# KiCad board hdmi-edid-debug-board.kicad_pcb (continued)
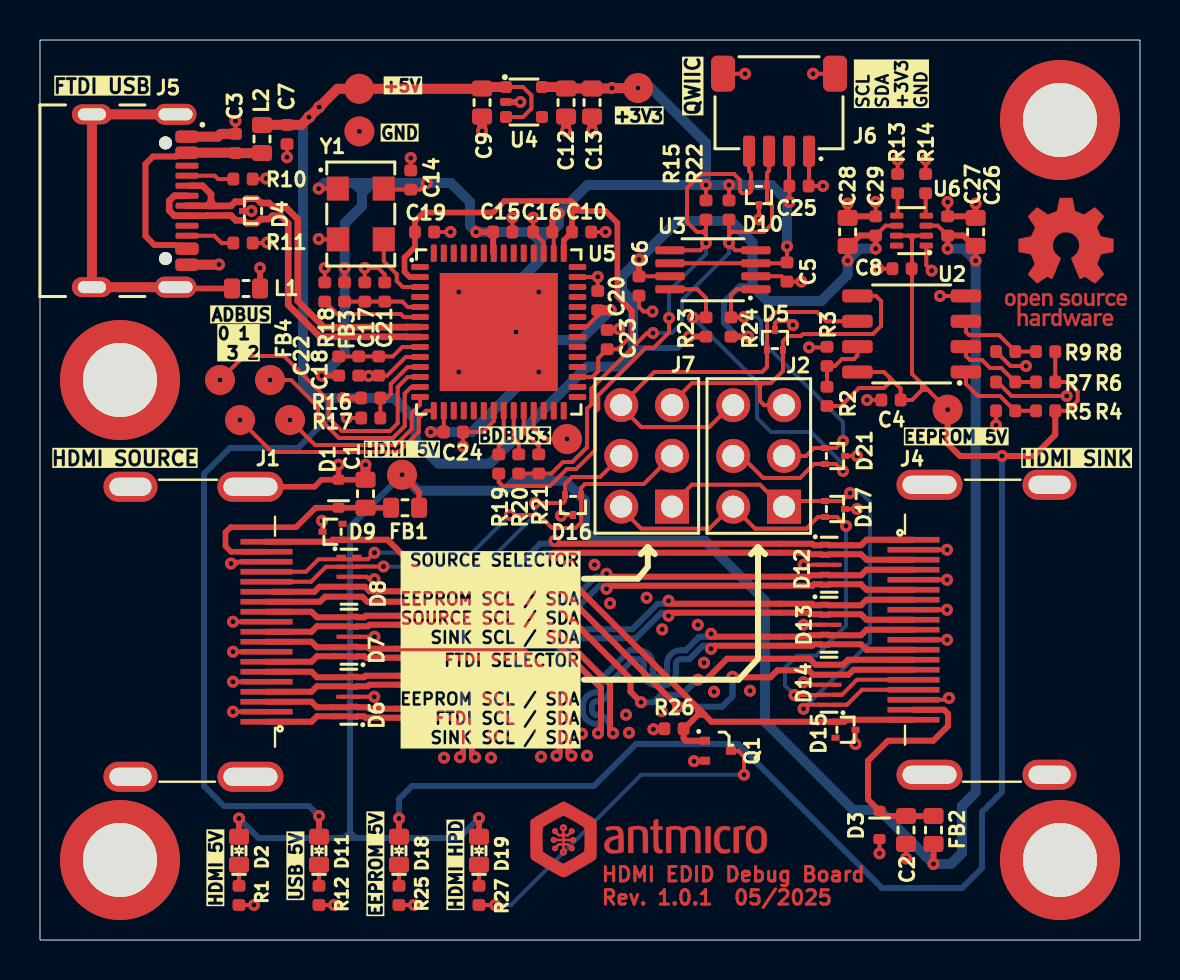
[diagram p0: board, top side]
## Routing (per net, layer and track width the routed paths; a pad name or vN(x,y) marks a point on that pad's centre or on a via; arc(x,y) is an arc through that point) (continued)
/HDMI_D1_P: length 43
  Top w0.3: v1(23.45,10.29) 23.6,10.44 23.6,10.84 21.68,12.76 17.91,12.76 16.46,12.76 16.39,12.69 15.85,12.69 15.82,12.66 ; 11.32,12.41 13.57,12.41 13.85,12.69 15.44,12.69 15.47,12.66 D6.4 ; J4.4 41.33,18.51 41.05,18.24 39.46,18.24 39.43,18.26 D12.4 ; v1(28.32,18.31) 28.47,18.16 36.99,18.16 38.44,18.16 38.51,18.24 39.05,18.24 39.08,18.26
  Bottom w0.3: v1(23.45,10.29) 23.6,10.44 23.6,11.01 arc(23.54,11.16) 23.39,11.23 arc(22.92,11.42) 22.72,11.89 22.72,12.24 arc(22.92,12.71) 23.39,12.91 24.26,12.91 arc(24.41,12.97) 24.47,13.12 24.47,13.47 arc(24.41,13.62) 24.26,13.69 arc(23.79,13.88) 23.6,14.35 23.6,15.53 25.06,16.99 26.61,16.99 27.78,18.16 28.18,18.16 v1(28.32,18.31)
/HDMI_D2_N: length 43
  Top w0.3: 15.82,11.66 15.85,11.64 16.39,11.64 16.46,11.56 17.84,11.56 20.79,11.56 21.6,10.75 21.6,9.29 v1(21.75,9.14) ; J1.3 13.57,11.91 13.85,11.64 14.55,11.64 14.55,11.64 15.44,11.64 15.47,11.66 D6.2 ; v1(25.72,19.21) 25.87,19.36 37.06,19.36 37.06,19.36 38.44,19.36 38.51,19.29 39.05,19.29 39.08,19.26 ; J4.3 41.32,19.01 41.05,19.29 40.35,19.29 40.35,19.29 39.46,19.29 39.43,19.26 D12.2
  Bottom w0.3: v1(25.72,19.21) 25.58,19.36 25.19,19.36 21.6,15.77 21.6,9.29 v1(21.75,9.14)
/HDMI_D2_P: length 43
  Top w0.3: v1(21,9.14) 21.15,9.29 21.15,10.57 20.6,11.11 17.84,11.11 16.28,11.11 16.2,11.19 15.85,11.19 D6.1 15.47,11.16 15.44,11.19 14.72,11.19 14.72,11.19 13.85,11.19 13.57,10.91 11.32,10.91 ; J4.1 41.33,20.01 41.05,19.74 40.18,19.74 40.18,19.74 39.46,19.74 39.43,19.76 D12.1 39.05,19.74 38.7,19.74 38.62,19.81 37.06,19.81 25.87,19.81 v1(25.72,19.96)
  Bottom w0.3: v1(21,9.14) 21.15,9.29 21.15,15.96 25.01,19.81 25.58,19.81 v1(25.72,19.96)
/HDMI_HPD: length 39.7
  Top w0.3: 33.06,11.43 33.21,11.28 ; 33.06,11.43 32.86,11.63 ; 33.06,11.43 32.9,11.26 ; 33.21,11.28 33.2,11.26 32.9,11.26 ; 33.21,11.28 33.57,10.91 D15.1 40.23,10.91 40.32,11.01 J4.19 ; 32.9,11.26 32.9,11.59 32.86,11.63 ; 32.9,11.26 32.2,10.56 R26.2 32.18,10.08 32.3,9.96 Q1.1 ; 32.86,11.63 26.35,18.14 19.25,18.14 17.38,20.01 D9.1 14.63,20.01 14.53,19.91 J1.19
/HDMI_UTIL: length 36.2
  Top w0.3: v1(34.62,13.16) 34.65,13.14 36.52,13.14 36.87,13.49 38.42,13.49 38.65,13.26 D14.7 40.43,13.26 40.68,13.51 J4.14 ; v1(31.9,11.66) 26.12,17.44 16.48,17.44 16.25,17.66 D8.7 13.97,17.66 13.72,17.41 11.62,17.41
  Bottom w0.3: v1(34.62,13.16) 34.62,12.19 34.1,11.66 v1(31.9,11.66)
/OSCI: length 3.6
  Top w0.2: U5.3 18.14,32.65 17.84,32.95 17.84,33.29 17.19,33.94 Y1.3
/SCL: length 31.7
  Top w0.2: 33.15,35.4 33.3,35.4 ; 33.15,35.4 33.3,35.55 33.3,35.6 ; 33.15,35.4 32.85,35.4 32.35,35.9 32.35,37.6 33.05,38.3 34.7,38.3 35,38 35,37.45 35.1,37.35 35.45,37.35 35.55,37.45 D10.2 35.55,38.35 35.45,38.45 J6.4 ; 33.15,35.4 33.3,35.25 ; 33.3,35.4 33.3,35.6 ; 33.3,35.4 33.3,35.25 ; 33.3,35.6 R15.1 ; v1(31.45,31.1) 31.45,30.37 30.68,29.6 30.27,29.6 27.91,27.24 27.91,26.56 27.75,26.4 27.75,24.49 26.81,23.55 26.34,23.55 25.5,22.7 23.14,22.7 22.94,22.9 R19.2 ; U3.5 33.01,34.49 33.3,34.77 33.3,35.25
  Bottom w0.2: v1(33.3,34.85) 33.3,34.3 31.45,32.45 v1(31.45,31.1)
/SDA: length 27.1
  Top w0.2: 34.45,35.6 R22.1 ; 34.45,35.6 34.45,35.55 34.6,35.4 ; 34.45,35.6 34.45,35.4 ; 34.6,35.4 36.2,35.4 36.6,35.8 36.6,36.7 36.35,36.95 D10.1 36.35,38.35 36.45,38.45 J6.3 ; 34.6,35.4 34.45,35.4 ; 34.6,35.4 34.45,35.25 ; 34.45,35.25 34.45,35.4 ; 34.45,35.25 34.45,34.8 34.76,34.49 U3.4 ; v1(30.65,30.35) 30.35,30.35 27.56,27.56 27.56,26.78 27.35,26.56 27.35,24.64 26.61,23.9 26.15,23.9 25.57,23.32 R21.2 R20.2
  Bottom w0.2: v1(34.45,34.85) 34.45,34.35 32.1,32 32.1,30.85 31.6,30.35 v1(30.65,30.35)
/SINK_5V: length 12.7
  Top w0.3: FB2.2 C2.2 42.23,6.2 D3.1 41.4,7.03 41.4,8.96 42.4,9.96 44.67,9.96 45.4,10.7 45.4,11.31 45.2,11.51 J4.18
/SINK_SCL: length 30.2
  Top w0.2: 43.28,13.01 J4.15 43.67,13.01 40.85,13.01 40.1,12.26 39.06,12.26 D14.9 39.05,12.25 v1(37.72,12.25) ; 34.56,21.66 33.46,20.56 30.06,20.56 28.96,21.67 ; J2.2 35.76,20.56 38.31,20.56 38.9,21.15 D17.2 39.85,21.15 v1(40.3,20.7)
  Bottom w0.2: v1(40.3,20.7) 40.3,15.71 38.8,14.21 37.85,14.21 37.25,13.61 37.25,12.73 v1(37.72,12.25)
/SINK_SDA: length 28.9
  Top w0.2: v1(38.17,11.56) 38.38,11.76 40.35,11.76 41.1,12.51 J4.16 ; 37.1,21.66 36,22.77 32.6,22.77 31.5,21.67 ; J2.1 37.49,21.95 D17.1 40.1,21.95 v1(40.5,22.35)
  Bottom w0.2: v1(38.17,11.56) 41.5,14.89 41.5,21.9 41.05,22.35 v1(40.5,22.35)
/SOURCE_5V: length 11.6
  Top w0.28: J1.18 9.55,19.41 9.27,19.69 9.27,20.39 9.52,20.64 12.8,20.64 13.77,21.61 D1.1 16.27,21.61 C1.2 FB1.1
/SOURCE_SCL: length 21.2
  Top w0.2: J1.15 13.55,17.91 14.3,18.66 D8.2 15.06,18.66 D8.9 15.85,18.67 v1(17.17,18.67) ; v1(24.75,21.85) 26.15,21.85 26.25,21.95 D16.2 26.25,22.8 26.6,23.15 28,23.15 J7.4
  Bottom w0.2: v1(17.17,18.67) 22.17,18.67 24.75,21.25 v1(24.75,21.85)
/SOURCE_SDA: length 24.2
  Top w0.2: J1.16 13.3,18.41 13.92,19.04 15.84,19.04 ; v1(23.5,21.25) 24.95,21.25 25.6,20.6 26.77,20.6 27.05,20.88 D16.1 27.05,22.6 27.25,22.8 30.19,22.8 J7.3 ; v1(16.72,19.36) 16.4,19.04 15.84,19.04
  Bottom w0.2: v1(16.72,19.36) 21.61,19.36 v1(23.5,21.25)
/USB_D_N: length 19.4
  Top w0.33: 8.75,36.7 8.55,36.9 8.55,36.97 ; 8.75,36.7 9.55,36.7 9.76,36.91 10.16,36.91 10.32,37.07 10.83,37.07 11.05,36.85 D4.2 11.45,36.85 11.61,36.69 12.24,36.69 12.89,36.03 12.89,31.95 14.2,30.64 14.82,30.64 14.82,30.64 18.33,30.64 18.34,30.65 U5.7 ; 8.75,36.7 8.55,36.7 ; J5.A7 8.36,36.71 ; 8.36,36.71 8.37,36.7 8.55,36.7 ; 8.36,36.71 8.55,36.9 8.55,36.97 ; 8.55,36.97 8.55,37.29 8.13,37.71 7.5,37.71 ; 8.55,36.97 8.55,36.7
/USB_D_P: length 19.3
  Top w0.33: U5.8 18.34,30.15 18.33,30.16 15,30.16 15,30.16 14,30.16 12.41,31.75 12.41,35.84 12.04,36.21 11.61,36.21 11.45,36.05 D4.1 11.04,36.05 10.83,35.84 10.32,35.84 10.17,35.98 9.79,35.98 9.55,36.22 8.37,36.22 8.36,36.21 J5.B6 6.72,36.21 6.46,36.48 6.46,36.95 6.72,37.21 J5.A6
/VPHY: length 3.9
  Top w0.2: FB3.2 18.12,31.92 18.39,31.65 U5.5
/VPLL: length 4.3
  Top w0.2: U5.9 18.11,29.65 17.64,29.18 FB4.2
/VREGOUT: length 27.8
  Top w0.2: 29.6,30.78 29.6,30.25 28.89,29.54 C23.1 27.91,29.09 27.91,28.44 27.62,28.15 U5.31
  Top w0.28: 26.69,36.8 26.88,36.62 ; 26.69,36.8 26.72,36.78 26.72,36.47 ; 26.69,36.8 26.55,36.95 23.22,36.95 22.65,36.38 19.17,36.38 18.74,35.94 C19.1 18.74,34.64 18.22,34.12 18.22,33.4 18.48,33.15 U5.2 ; 26.88,36.62 26.72,36.47 ; 26.88,36.62 27.05,36.45 ; 29.6,30.78 29.6,31.45 28.87,32.18 28.87,35.85 28.27,36.45 27.05,36.45 ; 27.05,36.45 27.03,36.47 26.72,36.47 ; 26.72,36.47 26.6,36.35 C10.1 26.19,34.99 U5.43
/WP: length 3.2
  Top w0.2: R2.1 R3.2 39.75,28.7 40.1,29.05 40.7,29.05 40.87,29.22 U2.7
/~{RESET}: length 3.9
  Top w0.2: U5.11 18.39,28.65 17.54,27.8 17.54,27.3 17.34,27.1 17.02,27.1 17.02,26.1
Net-(C3-Pad1): length 12
  Top w0.3: J5.A4 6.99,39.36 6.8,39.17 5.65,39.17 5.27,38.8 5.27,35.2 5.72,34.75 6.8,34.75 6.98,34.56 J5.A9
  Top w0.5: L2.2 11.09,39.34 C3.1 9.76,39.36 J5.A4
Net-(D2-C): length 1.1
  Top w0.2: D2.1 R1.2
Net-(D11-C): length 1.1
  Top w0.2: D11.1 R12.1
Net-(D18-C): length 1.1
  Top w0.2: D18.1 R25.1
Net-(D19-C): length 1.1
  Top w0.2: D19.1 R27.2
Net-(J5-CC_{1}): length 2.4
  Top w0.2: J5.A5 8.74,38.21 8.9,38.05 R10.1
Net-(J5-CC_{2}): length 2.5
  Top w0.2: J5.B5 8.71,35.21 9.07,34.85 R11.1
Net-(Q1-D): length 17.6
  Top w0.2: v1(35.2,8.26) 35.2,9.16 34.9,9.46 Q1.3 ; R27.1 v1(22.76,1.75)
  Bottom w0.2: v1(22.76,1.75) 23.55,1.75 30.06,8.26 v1(35.2,8.26)
Net-(U5-ADBUS0): length 14.7
  Top w0.2: U5.12 18.38,28.15 17.89,27.66 17.89,25.84 17.5,25.45 15.09,25.45 14.44,26.1 14.44,26.96 12.2,29.2 10.2,29.2 v1(9,28)
Net-(U5-ADBUS1): length 11
  Top w0.2: v1(11.5,28) 12.55,28 13.9,26.65 13.9,26.14 14.94,25.1 17.64,25.1 18.24,25.7 18.24,27.33 18.56,27.65 U5.13
Net-(U5-ADBUS2): length 8.7
  Top w0.2: v1(12.5,26) 13.75,24.75 17.79,24.75 18.59,25.55 18.59,26.35 19,26.76 U5.14
Net-(U5-ADBUS3): length 11.6
  Top w0.2: v1(10,26) 11.6,24.4 17.94,24.4 18.94,25.4 18.94,26.1 19.3,26.46 U5.15
Net-(U5-BDBUS0): length 2.3
  Top w0.2: U5.22 23.19,24.95 22.94,24.7 R19.1
Net-(U5-BDBUS1): length 2.3
  Top w0.2: U5.23 23.69,25.1 23.94,24.85 R20.1
Net-(U5-BDBUS2): length 2.5
  Top w0.2: U5.24 24.19,25.45 24.94,24.7 R21.1
Net-(U5-BDBUS3): length 2.8
  Top w0.2: v1(26.35,25.05) 25.19,25.05 24.69,25.55 U5.25
Net-(U5-REF): length 5.1
  Top w0.2: R18.1 14.86,31.3 18.04,31.3 18.19,31.15 U5.6
Net-(U6-MODE): length 1.1
  Top w0.2: R13.2 42.88,36.27 U6.5
Net-(U6-PR1): length 1.1
  Top w0.2: R14.2 44.28,36.25 U6.4

## Copper pours and planes (outline as drawn; the poured copper is in the pictures)
+3V3 on Bottom: 18.5,44.25 14,39.75 14,37.25 14.5,36.75 14.5,28.25 15,27.75 18.5,27.75 19.5,26.75 19.5,25.25 20,24.75 22.5,24.75 27,29.25 28.75,29.25 29,29.5 29,30.25 27.5,31.75 27.5,33.75 30.5,36.75 35.5,36.75 36.75,35.5 36.75,34.25 37,34 37.75,34 38,34.25 38,39.5 33.25,44.25
+5V on Bottom: 15.6,42.4 15,43 13.4,43 12.3,41.9 12.25,35.5 12.25,27.25 14.5,25 17.5,25 19.25,23.25 22.75,23.25 23.75,24.25 25.5,24.25 30.5,29.25 41,29.25 42.75,31 42.75,33.75 41.5,35 38.75,35 37.75,34 37,34 36.75,34.25 36.75,35.5 35.5,36.75 30.5,36.75 27.5,33.75 27.5,31.75 29,30.25 29,29.5 28.75,29.25 27,29.25 22.5,24.75 20,24.75 19.5,25.25 19.5,26.75 18.5,27.75 15,27.75 14.5,28.25 14.5,36.75 14,37.25 14,39.75 15.6,41.4
GND on In1.Cu, In2.Cu: 0,0 55,0 55,45 0,45

## Text on the board
B.Silkscreen: PCB SHA ########
Top: ${TITLE} / Rev. ${REVISION}  05/2025
F.Mask: ${TITLE} / Rev. ${REVISION}  05/2025
F.Silkscreen: HDMI 5V | SOURCE SELECTOR / EEPROM SCL / SDA / SOURCE SCL / SDA / SINK SCL / SDA | FTDI SELECTOR / EEPROM SCL / SDA / FTDI SCL / SDA / SINK SCL / SDA | SCL / SDA / +3V3 / GND | ADBUS | 0 1 / 3 2 | GND | +5V | BDBUS3 | +3V3 | EEPROM 5V | USB 5V | HDMI HPD | HDMI SOURCE | FTDI USB | HDMI SINK | QWIIC
